# KiCad board modulo_sensor-panel.kicad_pcb (continued)
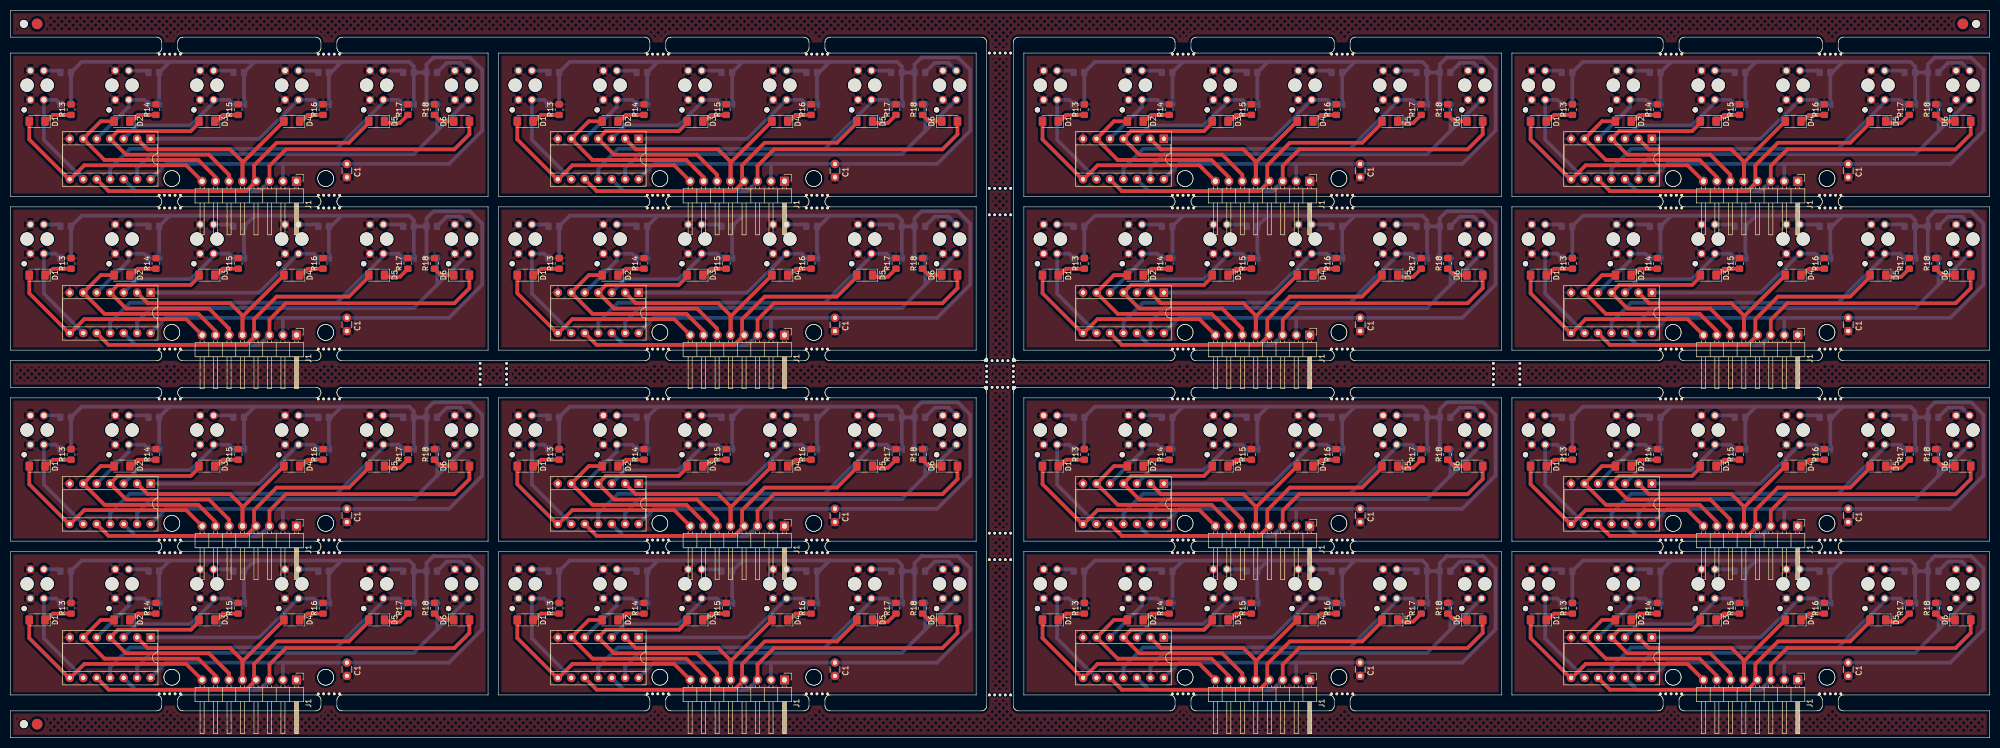
[diagram p0: board, top side]
## Placement (name value [footprint] x y rotation side) (continued)
KiKit_MB_58_4  -  [NPTH]  252 34.8 0 top
KiKit_MB_58_5  -  [NPTH]  253 34.8 0 top
KiKit_MB_59_1  -  [NPTH]  223 8.2 0 top
KiKit_MB_59_2  -  [NPTH]  222 8.2 0 top
KiKit_MB_59_3  -  [NPTH]  221 8.2 0 top
KiKit_MB_59_4  -  [NPTH]  220 8.2 0 top
KiKit_MB_59_5  -  [NPTH]  219 8.2 0 top
KiKit_MB_60_1  -  [NPTH]  253 8.2 0 top
KiKit_MB_60_2  -  [NPTH]  252 8.2 0 top
KiKit_MB_60_3  -  [NPTH]  251 8.2 0 top
KiKit_MB_60_4  -  [NPTH]  250 8.2 0 top
KiKit_MB_60_5  -  [NPTH]  249 8.2 0 top
KiKit_MB_61_1  -  [NPTH]  311 34.8 0 top
KiKit_MB_61_2  -  [NPTH]  312 34.8 0 top
KiKit_MB_61_3  -  [NPTH]  313 34.8 0 top
KiKit_MB_61_4  -  [NPTH]  314 34.8 0 top
KiKit_MB_61_5  -  [NPTH]  315 34.8 0 top
KiKit_MB_62_1  -  [NPTH]  341 34.8 0 top
KiKit_MB_62_2  -  [NPTH]  342 34.8 0 top
KiKit_MB_62_3  -  [NPTH]  343 34.8 0 top
KiKit_MB_62_4  -  [NPTH]  344 34.8 0 top
KiKit_MB_62_5  -  [NPTH]  345 34.8 0 top
KiKit_MB_63_1  -  [NPTH]  315 8.2 0 top
KiKit_MB_63_2  -  [NPTH]  314 8.2 0 top
KiKit_MB_63_3  -  [NPTH]  313 8.2 0 top
KiKit_MB_63_4  -  [NPTH]  312 8.2 0 top
KiKit_MB_63_5  -  [NPTH]  311 8.2 0 top
KiKit_MB_64_1  -  [NPTH]  345 8.2 0 top
KiKit_MB_64_2  -  [NPTH]  344 8.2 0 top
KiKit_MB_64_3  -  [NPTH]  343 8.2 0 top
KiKit_MB_64_4  -  [NPTH]  342 8.2 0 top
KiKit_MB_64_5  -  [NPTH]  341 8.2 0 top
KiKit_MB_65_2  -  [NPTH]  284.5 66.5 0 top
KiKit_MB_65_3  -  [NPTH]  284.5 67.5 0 top
KiKit_MB_65_4  -  [NPTH]  284.5 68.5 0 top
KiKit_MB_65_5  -  [NPTH]  284.5 69.5 0 top
KiKit_MB_65_6  -  [NPTH]  284.5 70.5 0 top
KiKit_MB_66_2  -  [NPTH]  88.5 70.5 0 top
KiKit_MB_66_3  -  [NPTH]  88.5 69.5 0 top
KiKit_MB_66_4  -  [NPTH]  88.5 68.5 0 top
KiKit_MB_66_5  -  [NPTH]  88.5 67.5 0 top
KiKit_MB_66_6  -  [NPTH]  88.5 66.5 0 top
KiKit_MB_67_1  -  [NPTH]  189 65.75 0 top
KiKit_MB_68_1  -  [NPTH]  189 66 0 top
KiKit_MB_68_2  -  [NPTH]  189 67 0 top
KiKit_MB_68_3  -  [NPTH]  189 68 0 top
KiKit_MB_68_4  -  [NPTH]  189 69 0 top
KiKit_MB_68_5  -  [NPTH]  189 70 0 top
KiKit_MB_68_6  -  [NPTH]  189 71 0 top
KiKit_MB_69_1  -  [NPTH]  189 71.25 0 top
KiKit_MB_70_2  -  [NPTH]  279.5 70.5 0 top
KiKit_MB_70_3  -  [NPTH]  279.5 69.5 0 top
KiKit_MB_70_4  -  [NPTH]  279.5 68.5 0 top
KiKit_MB_70_5  -  [NPTH]  279.5 67.5 0 top
KiKit_MB_70_6  -  [NPTH]  279.5 66.5 0 top
KiKit_MB_71_2  -  [NPTH]  93.5 66.5 0 top
KiKit_MB_71_3  -  [NPTH]  93.5 67.5 0 top
KiKit_MB_71_4  -  [NPTH]  93.5 68.5 0 top
KiKit_MB_71_5  -  [NPTH]  93.5 69.5 0 top
KiKit_MB_71_6  -  [NPTH]  93.5 70.5 0 top
KiKit_MB_72_1  -  [NPTH]  184 71.25 0 top
KiKit_MB_73_1  -  [NPTH]  184 71 0 top
KiKit_MB_73_2  -  [NPTH]  184 70 0 top
KiKit_MB_73_3  -  [NPTH]  184 69 0 top
KiKit_MB_73_4  -  [NPTH]  184 68 0 top
KiKit_MB_73_5  -  [NPTH]  184 67 0 top
KiKit_MB_73_6  -  [NPTH]  184 66 0 top
KiKit_MB_74_1  -  [NPTH]  184 65.75 0 top
KiKit_MB_75_1  -  [NPTH]  183.75 66 0 top
KiKit_MB_76_1  -  [NPTH]  184 66 0 top
KiKit_MB_76_2  -  [NPTH]  185 66 0 top
KiKit_MB_76_3  -  [NPTH]  186 66 0 top
KiKit_MB_76_4  -  [NPTH]  187 66 0 top
KiKit_MB_76_5  -  [NPTH]  188 66 0 top
KiKit_MB_76_6  -  [NPTH]  189 66 0 top
KiKit_MB_77_1  -  [NPTH]  189.25 66 0 top
KiKit_MB_78_2  -  [NPTH]  188.5 38.5 0 top
KiKit_MB_78_3  -  [NPTH]  187.5 38.5 0 top
KiKit_MB_78_4  -  [NPTH]  186.5 38.5 0 top
KiKit_MB_78_5  -  [NPTH]  185.5 38.5 0 top
KiKit_MB_78_6  -  [NPTH]  184.5 38.5 0 top
KiKit_MB_79_2  -  [NPTH]  184.5 33.5 0 top
KiKit_MB_79_3  -  [NPTH]  185.5 33.5 0 top
KiKit_MB_79_4  -  [NPTH]  186.5 33.5 0 top
KiKit_MB_79_5  -  [NPTH]  187.5 33.5 0 top
KiKit_MB_79_6  -  [NPTH]  188.5 33.5 0 top
KiKit_MB_80_2  -  [NPTH]  188.5 8 0 top
KiKit_MB_80_3  -  [NPTH]  187.5 8 0 top
KiKit_MB_80_4  -  [NPTH]  186.5 8 0 top
KiKit_MB_80_5  -  [NPTH]  185.5 8 0 top
KiKit_MB_80_6  -  [NPTH]  184.5 8 0 top
KiKit_MB_81_2  -  [NPTH]  188.5 129 0 top
KiKit_MB_81_3  -  [NPTH]  187.5 129 0 top
KiKit_MB_81_4  -  [NPTH]  186.5 129 0 top
KiKit_MB_81_5  -  [NPTH]  185.5 129 0 top
KiKit_MB_81_6  -  [NPTH]  184.5 129 0 top
KiKit_MB_82_2  -  [NPTH]  188.5 103.5 0 top
KiKit_MB_82_3  -  [NPTH]  187.5 103.5 0 top
KiKit_MB_82_4  -  [NPTH]  186.5 103.5 0 top
KiKit_MB_82_5  -  [NPTH]  185.5 103.5 0 top
KiKit_MB_82_6  -  [NPTH]  184.5 103.5 0 top
KiKit_MB_83_2  -  [NPTH]  184.5 98.5 0 top
KiKit_MB_83_3  -  [NPTH]  185.5 98.5 0 top
KiKit_MB_83_4  -  [NPTH]  186.5 98.5 0 top
KiKit_MB_83_5  -  [NPTH]  187.5 98.5 0 top
KiKit_MB_83_6  -  [NPTH]  188.5 98.5 0 top
KiKit_MB_84_1  -  [NPTH]  189.25 71 0 top
KiKit_MB_85_1  -  [NPTH]  189 71 0 top
KiKit_MB_85_2  -  [NPTH]  188 71 0 top
KiKit_MB_85_3  -  [NPTH]  187 71 0 top
KiKit_MB_85_4  -  [NPTH]  186 71 0 top
KiKit_MB_85_5  -  [NPTH]  185 71 0 top
KiKit_MB_85_6  -  [NPTH]  184 71 0 top
KiKit_MB_86_1  -  [NPTH]  183.75 71 0 top
KiKit_TO_1  -  [NPTH#2]  2.5 134.5 0 top
KiKit_TO_2  -  [NPTH#2]  370.5 134.5 0 top
KiKit_TO_3  -  [NPTH#2]  2.5 2.5 0 top
R1  10k  [R_0805_2012Metric_Pad1.20x1.40mm_HandSolder]  293.39 31.34 0 bottom
R1#2  10k  [R_0805_2012Metric_Pad1.20x1.40mm_HandSolder]  201.39 125.34 0 bottom
R1#3  10k  [R_0805_2012Metric_Pad1.20x1.40mm_HandSolder]  102.39 60.34 0 bottom
R1#4  10k  [R_0805_2012Metric_Pad1.20x1.40mm_HandSolder]  102.39 31.34 0 bottom
R1#5  10k  [R_0805_2012Metric_Pad1.20x1.40mm_HandSolder]  102.39 125.34 0 bottom
R1#6  10k  [R_0805_2012Metric_Pad1.20x1.40mm_HandSolder]  10.39 60.34 0 bottom
R1#7  10k  [R_0805_2012Metric_Pad1.20x1.40mm_HandSolder]  293.39 125.34 0 bottom
R1#8  10k  [R_0805_2012Metric_Pad1.20x1.40mm_HandSolder]  293.39 96.34 0 bottom
R1#9  10k  [R_0805_2012Metric_Pad1.20x1.40mm_HandSolder]  10.39 96.34 0 bottom
R1#10  10k  [R_0805_2012Metric_Pad1.20x1.40mm_HandSolder]  201.39 31.34 0 bottom
R1#11  10k  [R_0805_2012Metric_Pad1.20x1.40mm_HandSolder]  10.39 125.34 0 bottom
R1#12  10k  [R_0805_2012Metric_Pad1.20x1.40mm_HandSolder]  201.39 60.34 0 bottom
R1#13  10k  [R_0805_2012Metric_Pad1.20x1.40mm_HandSolder]  201.39 96.34 0 bottom
R1#14  10k  [R_0805_2012Metric_Pad1.20x1.40mm_HandSolder]  102.39 96.34 0 bottom
R1#15  10k  [R_0805_2012Metric_Pad1.20x1.40mm_HandSolder]  10.39 31.34 0 bottom
R1#16  10k  [R_0805_2012Metric_Pad1.20x1.40mm_HandSolder]  293.39 60.34 0 bottom
R2  10k  [R_0805_2012Metric_Pad1.20x1.40mm_HandSolder]  201.39 119.34 0 bottom
R2#2  10k  [R_0805_2012Metric_Pad1.20x1.40mm_HandSolder]  293.39 54.34 0 bottom
R2#3  10k  [R_0805_2012Metric_Pad1.20x1.40mm_HandSolder]  102.39 119.34 0 bottom
R2#4  10k  [R_0805_2012Metric_Pad1.20x1.40mm_HandSolder]  10.39 54.34 0 bottom
R2#5  10k  [R_0805_2012Metric_Pad1.20x1.40mm_HandSolder]  10.39 25.34 0 bottom
R2#6  10k  [R_0805_2012Metric_Pad1.20x1.40mm_HandSolder]  102.39 25.34 0 bottom
R2#7  10k  [R_0805_2012Metric_Pad1.20x1.40mm_HandSolder]  201.39 25.34 0 bottom
R2#8  10k  [R_0805_2012Metric_Pad1.20x1.40mm_HandSolder]  102.39 54.34 0 bottom
R2#9  10k  [R_0805_2012Metric_Pad1.20x1.40mm_HandSolder]  102.39 90.34 0 bottom
R2#10  10k  [R_0805_2012Metric_Pad1.20x1.40mm_HandSolder]  293.39 90.34 0 bottom
R2#11  10k  [R_0805_2012Metric_Pad1.20x1.40mm_HandSolder]  201.39 54.34 0 bottom
R2#12  10k  [R_0805_2012Metric_Pad1.20x1.40mm_HandSolder]  293.39 25.34 0 bottom
R2#13  10k  [R_0805_2012Metric_Pad1.20x1.40mm_HandSolder]  201.39 90.34 0 bottom
R2#14  10k  [R_0805_2012Metric_Pad1.20x1.40mm_HandSolder]  293.39 119.34 0 bottom
R2#15  10k  [R_0805_2012Metric_Pad1.20x1.40mm_HandSolder]  10.39 90.34 0 bottom
R2#16  10k  [R_0805_2012Metric_Pad1.20x1.40mm_HandSolder]  10.39 119.34 0 bottom
R3  10k  [R_0805_2012Metric_Pad1.20x1.40mm_HandSolder]  27 125.34 0 bottom
R3#2  10k  [R_0805_2012Metric_Pad1.20x1.40mm_HandSolder]  27 60.34 0 bottom
R3#3  10k  [R_0805_2012Metric_Pad1.20x1.40mm_HandSolder]  218 96.34 0 bottom
R3#4  10k  [R_0805_2012Metric_Pad1.20x1.40mm_HandSolder]  218 125.34 0 bottom
R3#5  10k  [R_0805_2012Metric_Pad1.20x1.40mm_HandSolder]  119 96.34 0 bottom
R3#6  10k  [R_0805_2012Metric_Pad1.20x1.40mm_HandSolder]  119 31.34 0 bottom
R3#7  10k  [R_0805_2012Metric_Pad1.20x1.40mm_HandSolder]  27 96.34 0 bottom
R3#8  10k  [R_0805_2012Metric_Pad1.20x1.40mm_HandSolder]  218 60.34 0 bottom
R3#9  10k  [R_0805_2012Metric_Pad1.20x1.40mm_HandSolder]  119 60.34 0 bottom
R3#10  10k  [R_0805_2012Metric_Pad1.20x1.40mm_HandSolder]  310 96.34 0 bottom
R3#11  10k  [R_0805_2012Metric_Pad1.20x1.40mm_HandSolder]  310 31.34 0 bottom
R3#12  10k  [R_0805_2012Metric_Pad1.20x1.40mm_HandSolder]  119 125.34 0 bottom
R3#13  10k  [R_0805_2012Metric_Pad1.20x1.40mm_HandSolder]  218 31.34 0 bottom
R3#14  10k  [R_0805_2012Metric_Pad1.20x1.40mm_HandSolder]  310 60.34 0 bottom
R3#15  10k  [R_0805_2012Metric_Pad1.20x1.40mm_HandSolder]  27 31.34 0 bottom
R3#16  10k  [R_0805_2012Metric_Pad1.20x1.40mm_HandSolder]  310 125.34 0 bottom
R4  10k  [R_0805_2012Metric_Pad1.20x1.40mm_HandSolder]  310 119.34 0 bottom
R4#2  10k  [R_0805_2012Metric_Pad1.20x1.40mm_HandSolder]  218 54.34 0 bottom
R4#3  10k  [R_0805_2012Metric_Pad1.20x1.40mm_HandSolder]  27 119.34 0 bottom
R4#4  10k  [R_0805_2012Metric_Pad1.20x1.40mm_HandSolder]  27 54.34 0 bottom
R4#5  10k  [R_0805_2012Metric_Pad1.20x1.40mm_HandSolder]  27 25.34 0 bottom
R4#6  10k  [R_0805_2012Metric_Pad1.20x1.40mm_HandSolder]  310 54.34 0 bottom
R4#7  10k  [R_0805_2012Metric_Pad1.20x1.40mm_HandSolder]  119 90.34 0 bottom
R4#8  10k  [R_0805_2012Metric_Pad1.20x1.40mm_HandSolder]  27 90.34 0 bottom
R4#9  10k  [R_0805_2012Metric_Pad1.20x1.40mm_HandSolder]  119 119.34 0 bottom
R4#10  10k  [R_0805_2012Metric_Pad1.20x1.40mm_HandSolder]  218 119.34 0 bottom
R4#11  10k  [R_0805_2012Metric_Pad1.20x1.40mm_HandSolder]  119 25.34 0 bottom
R4#12  10k  [R_0805_2012Metric_Pad1.20x1.40mm_HandSolder]  310 25.34 0 bottom
R4#13  10k  [R_0805_2012Metric_Pad1.20x1.40mm_HandSolder]  218 25.34 0 bottom
R4#14  10k  [R_0805_2012Metric_Pad1.20x1.40mm_HandSolder]  218 90.34 0 bottom
R4#15  10k  [R_0805_2012Metric_Pad1.20x1.40mm_HandSolder]  310 90.34 0 bottom
R4#16  10k  [R_0805_2012Metric_Pad1.20x1.40mm_HandSolder]  119 54.34 0 bottom
R5  10k  [R_0805_2012Metric_Pad1.20x1.40mm_HandSolder]  43 31.34 0 bottom
R5#2  10k  [R_0805_2012Metric_Pad1.20x1.40mm_HandSolder]  43 96.34 0 bottom
R5#3  10k  [R_0805_2012Metric_Pad1.20x1.40mm_HandSolder]  234 96.34 0 bottom
R5#4  10k  [R_0805_2012Metric_Pad1.20x1.40mm_HandSolder]  135 31.34 0 bottom
R5#5  10k  [R_0805_2012Metric_Pad1.20x1.40mm_HandSolder]  234 60.34 0 bottom
R5#6  10k  [R_0805_2012Metric_Pad1.20x1.40mm_HandSolder]  326 96.34 0 bottom
R5#7  10k  [R_0805_2012Metric_Pad1.20x1.40mm_HandSolder]  135 96.34 0 bottom
R5#8  10k  [R_0805_2012Metric_Pad1.20x1.40mm_HandSolder]  326 31.34 0 bottom
R5#9  10k  [R_0805_2012Metric_Pad1.20x1.40mm_HandSolder]  43 125.34 0 bottom
R5#10  10k  [R_0805_2012Metric_Pad1.20x1.40mm_HandSolder]  326 125.34 0 bottom
R5#11  10k  [R_0805_2012Metric_Pad1.20x1.40mm_HandSolder]  234 125.34 0 bottom
R5#12  10k  [R_0805_2012Metric_Pad1.20x1.40mm_HandSolder]  234 31.34 0 bottom
R5#13  10k  [R_0805_2012Metric_Pad1.20x1.40mm_HandSolder]  135 125.34 0 bottom
R5#14  10k  [R_0805_2012Metric_Pad1.20x1.40mm_HandSolder]  43 60.34 0 bottom
R5#15  10k  [R_0805_2012Metric_Pad1.20x1.40mm_HandSolder]  135 60.34 0 bottom
R5#16  10k  [R_0805_2012Metric_Pad1.20x1.40mm_HandSolder]  326 60.34 0 bottom
R6  10k  [R_0805_2012Metric_Pad1.20x1.40mm_HandSolder]  326 119.34 0 bottom
R6#2  10k  [R_0805_2012Metric_Pad1.20x1.40mm_HandSolder]  135 90.34 0 bottom
R6#3  10k  [R_0805_2012Metric_Pad1.20x1.40mm_HandSolder]  326 90.34 0 bottom
R6#4  10k  [R_0805_2012Metric_Pad1.20x1.40mm_HandSolder]  43 25.34 0 bottom
R6#5  10k  [R_0805_2012Metric_Pad1.20x1.40mm_HandSolder]  43 90.34 0 bottom
R6#6  10k  [R_0805_2012Metric_Pad1.20x1.40mm_HandSolder]  234 90.34 0 bottom
R6#7  10k  [R_0805_2012Metric_Pad1.20x1.40mm_HandSolder]  43 54.34 0 bottom
R6#8  10k  [R_0805_2012Metric_Pad1.20x1.40mm_HandSolder]  326 25.34 0 bottom
R6#9  10k  [R_0805_2012Metric_Pad1.20x1.40mm_HandSolder]  135 119.34 0 bottom
R6#10  10k  [R_0805_2012Metric_Pad1.20x1.40mm_HandSolder]  234 119.34 0 bottom
R6#11  10k  [R_0805_2012Metric_Pad1.20x1.40mm_HandSolder]  234 25.34 0 bottom
R6#12  10k  [R_0805_2012Metric_Pad1.20x1.40mm_HandSolder]  43 119.34 0 bottom
R6#13  10k  [R_0805_2012Metric_Pad1.20x1.40mm_HandSolder]  326 54.34 0 bottom
R6#14  10k  [R_0805_2012Metric_Pad1.20x1.40mm_HandSolder]  135 54.34 0 bottom
R6#15  10k  [R_0805_2012Metric_Pad1.20x1.40mm_HandSolder]  234 54.34 0 bottom
R6#16  10k  [R_0805_2012Metric_Pad1.20x1.40mm_HandSolder]  135 25.34 0 bottom
R7  10k  [R_0805_2012Metric_Pad1.20x1.40mm_HandSolder]  59 125.34 0 bottom
R7#2  10k  [R_0805_2012Metric_Pad1.20x1.40mm_HandSolder]  151 96.34 0 bottom
R7#3  10k  [R_0805_2012Metric_Pad1.20x1.40mm_HandSolder]  59 96.34 0 bottom
R7#4  10k  [R_0805_2012Metric_Pad1.20x1.40mm_HandSolder]  342 96.34 0 bottom
R7#5  10k  [R_0805_2012Metric_Pad1.20x1.40mm_HandSolder]  250 31.34 0 bottom
R7#6  10k  [R_0805_2012Metric_Pad1.20x1.40mm_HandSolder]  59 31.34 0 bottom
R7#7  10k  [R_0805_2012Metric_Pad1.20x1.40mm_HandSolder]  250 96.34 0 bottom
R7#8  10k  [R_0805_2012Metric_Pad1.20x1.40mm_HandSolder]  342 125.34 0 bottom
R7#9  10k  [R_0805_2012Metric_Pad1.20x1.40mm_HandSolder]  342 31.34 0 bottom
R7#10  10k  [R_0805_2012Metric_Pad1.20x1.40mm_HandSolder]  59 60.34 0 bottom
R7#11  10k  [R_0805_2012Metric_Pad1.20x1.40mm_HandSolder]  151 125.34 0 bottom
R7#12  10k  [R_0805_2012Metric_Pad1.20x1.40mm_HandSolder]  250 125.34 0 bottom
R7#13  10k  [R_0805_2012Metric_Pad1.20x1.40mm_HandSolder]  342 60.34 0 bottom
R7#14  10k  [R_0805_2012Metric_Pad1.20x1.40mm_HandSolder]  250 60.34 0 bottom
R7#15  10k  [R_0805_2012Metric_Pad1.20x1.40mm_HandSolder]  151 60.34 0 bottom
R7#16  10k  [R_0805_2012Metric_Pad1.20x1.40mm_HandSolder]  151 31.34 0 bottom
R8  10k  [R_0805_2012Metric_Pad1.20x1.40mm_HandSolder]  342 54.34 0 bottom
R8#2  10k  [R_0805_2012Metric_Pad1.20x1.40mm_HandSolder]  250 25.34 0 bottom
R8#3  10k  [R_0805_2012Metric_Pad1.20x1.40mm_HandSolder]  342 25.34 0 bottom
R8#4  10k  [R_0805_2012Metric_Pad1.20x1.40mm_HandSolder]  151 119.34 0 bottom
R8#5  10k  [R_0805_2012Metric_Pad1.20x1.40mm_HandSolder]  151 25.34 0 bottom
R8#6  10k  [R_0805_2012Metric_Pad1.20x1.40mm_HandSolder]  250 90.34 0 bottom
R8#7  10k  [R_0805_2012Metric_Pad1.20x1.40mm_HandSolder]  59 25.34 0 bottom
R8#8  10k  [R_0805_2012Metric_Pad1.20x1.40mm_HandSolder]  59 119.34 0 bottom
R8#9  10k  [R_0805_2012Metric_Pad1.20x1.40mm_HandSolder]  250 54.34 0 bottom
R8#10  10k  [R_0805_2012Metric_Pad1.20x1.40mm_HandSolder]  342 119.34 0 bottom
R8#11  10k  [R_0805_2012Metric_Pad1.20x1.40mm_HandSolder]  342 90.34 0 bottom
R8#12  10k  [R_0805_2012Metric_Pad1.20x1.40mm_HandSolder]  151 54.34 0 bottom
R8#13  10k  [R_0805_2012Metric_Pad1.20x1.40mm_HandSolder]  59 90.34 0 bottom
R8#14  10k  [R_0805_2012Metric_Pad1.20x1.40mm_HandSolder]  151 90.34 0 bottom
R8#15  10k  [R_0805_2012Metric_Pad1.20x1.40mm_HandSolder]  59 54.34 0 bottom
R8#16  10k  [R_0805_2012Metric_Pad1.20x1.40mm_HandSolder]  250 119.34 0 bottom
R9  10k  [R_0805_2012Metric_Pad1.20x1.40mm_HandSolder]  358 96.34 0 bottom
R9#2  10k  [R_0805_2012Metric_Pad1.20x1.40mm_HandSolder]  358 60.34 0 bottom
R9#3  10k  [R_0805_2012Metric_Pad1.20x1.40mm_HandSolder]  266 60.34 0 bottom
R9#4  10k  [R_0805_2012Metric_Pad1.20x1.40mm_HandSolder]  266 31.34 0 bottom
R9#5  10k  [R_0805_2012Metric_Pad1.20x1.40mm_HandSolder]  167 60.34 0 bottom
R9#6  10k  [R_0805_2012Metric_Pad1.20x1.40mm_HandSolder]  167 31.34 0 bottom
R9#7  10k  [R_0805_2012Metric_Pad1.20x1.40mm_HandSolder]  358 31.34 0 bottom
R9#8  10k  [R_0805_2012Metric_Pad1.20x1.40mm_HandSolder]  266 125.34 0 bottom
R9#9  10k  [R_0805_2012Metric_Pad1.20x1.40mm_HandSolder]  167 96.34 0 bottom
R9#10  10k  [R_0805_2012Metric_Pad1.20x1.40mm_HandSolder]  167 125.34 0 bottom
R9#11  10k  [R_0805_2012Metric_Pad1.20x1.40mm_HandSolder]  75 125.34 0 bottom
R9#12  10k  [R_0805_2012Metric_Pad1.20x1.40mm_HandSolder]  75 96.34 0 bottom
R9#13  10k  [R_0805_2012Metric_Pad1.20x1.40mm_HandSolder]  358 125.34 0 bottom
R9#14  10k  [R_0805_2012Metric_Pad1.20x1.40mm_HandSolder]  75 31.34 0 bottom
R9#15  10k  [R_0805_2012Metric_Pad1.20x1.40mm_HandSolder]  266 96.34 0 bottom
R9#16  10k  [R_0805_2012Metric_Pad1.20x1.40mm_HandSolder]  75 60.34 0 bottom
R10  10k  [R_0805_2012Metric_Pad1.20x1.40mm_HandSolder]  266 25.34 0 bottom
R10#2  10k  [R_0805_2012Metric_Pad1.20x1.40mm_HandSolder]  266 54.34 0 bottom
R10#3  10k  [R_0805_2012Metric_Pad1.20x1.40mm_HandSolder]  75 25.34 0 bottom
R10#4  10k  [R_0805_2012Metric_Pad1.20x1.40mm_HandSolder]  75 54.34 0 bottom
R10#5  10k  [R_0805_2012Metric_Pad1.20x1.40mm_HandSolder]  167 25.34 0 bottom
R10#6  10k  [R_0805_2012Metric_Pad1.20x1.40mm_HandSolder]  75 90.34 0 bottom
R10#7  10k  [R_0805_2012Metric_Pad1.20x1.40mm_HandSolder]  266 119.34 0 bottom
R10#8  10k  [R_0805_2012Metric_Pad1.20x1.40mm_HandSolder]  167 119.34 0 bottom
R10#9  10k  [R_0805_2012Metric_Pad1.20x1.40mm_HandSolder]  358 90.34 0 bottom
R10#10  10k  [R_0805_2012Metric_Pad1.20x1.40mm_HandSolder]  358 54.34 0 bottom
R10#11  10k  [R_0805_2012Metric_Pad1.20x1.40mm_HandSolder]  167 90.34 0 bottom
R10#12  10k  [R_0805_2012Metric_Pad1.20x1.40mm_HandSolder]  75 119.34 0 bottom
R10#13  10k  [R_0805_2012Metric_Pad1.20x1.40mm_HandSolder]  266 90.34 0 bottom
R10#14  10k  [R_0805_2012Metric_Pad1.20x1.40mm_HandSolder]  358 119.34 0 bottom
R10#15  10k  [R_0805_2012Metric_Pad1.20x1.40mm_HandSolder]  167 54.34 0 bottom
R10#16  10k  [R_0805_2012Metric_Pad1.20x1.40mm_HandSolder]  358 25.34 0 bottom
R11  10k  [R_0805_2012Metric_Pad1.20x1.40mm_HandSolder]  79.39 60.34 180 bottom
R11#2  10k  [R_0805_2012Metric_Pad1.20x1.40mm_HandSolder]  270.39 60.34 180 bottom
R11#3  10k  [R_0805_2012Metric_Pad1.20x1.40mm_HandSolder]  270.39 31.34 180 bottom
R11#4  10k  [R_0805_2012Metric_Pad1.20x1.40mm_HandSolder]  171.39 60.34 180 bottom
R11#5  10k  [R_0805_2012Metric_Pad1.20x1.40mm_HandSolder]  270.39 96.34 180 bottom
R11#6  10k  [R_0805_2012Metric_Pad1.20x1.40mm_HandSolder]  171.39 31.34 180 bottom
R11#7  10k  [R_0805_2012Metric_Pad1.20x1.40mm_HandSolder]  79.39 125.34 180 bottom
R11#8  10k  [R_0805_2012Metric_Pad1.20x1.40mm_HandSolder]  79.39 96.34 180 bottom
R11#9  10k  [R_0805_2012Metric_Pad1.20x1.40mm_HandSolder]  171.39 96.34 180 bottom
R11#10  10k  [R_0805_2012Metric_Pad1.20x1.40mm_HandSolder]  270.39 125.34 180 bottom
R11#11  10k  [R_0805_2012Metric_Pad1.20x1.40mm_HandSolder]  362.39 125.34 180 bottom
R11#12  10k  [R_0805_2012Metric_Pad1.20x1.40mm_HandSolder]  171.39 125.34 180 bottom
R11#13  10k  [R_0805_2012Metric_Pad1.20x1.40mm_HandSolder]  362.39 31.34 180 bottom
R11#14  10k  [R_0805_2012Metric_Pad1.20x1.40mm_HandSolder]  362.39 60.34 180 bottom
R11#15  10k  [R_0805_2012Metric_Pad1.20x1.40mm_HandSolder]  79.39 31.34 180 bottom
R11#16  10k  [R_0805_2012Metric_Pad1.20x1.40mm_HandSolder]  362.39 96.34 180 bottom
R12  10k  [R_0805_2012Metric_Pad1.20x1.40mm_HandSolder]  171.39 54.34 180 bottom
R12#2  10k  [R_0805_2012Metric_Pad1.20x1.40mm_HandSolder]  79.39 119.34 180 bottom
R12#3  10k  [R_0805_2012Metric_Pad1.20x1.40mm_HandSolder]  362.39 90.34 180 bottom
R12#4  10k  [R_0805_2012Metric_Pad1.20x1.40mm_HandSolder]  362.39 25.34 180 bottom
R12#5  10k  [R_0805_2012Metric_Pad1.20x1.40mm_HandSolder]  171.39 25.34 180 bottom
R12#6  10k  [R_0805_2012Metric_Pad1.20x1.40mm_HandSolder]  270.39 90.34 180 bottom
R12#7  10k  [R_0805_2012Metric_Pad1.20x1.40mm_HandSolder]  171.39 119.34 180 bottom
R12#8  10k  [R_0805_2012Metric_Pad1.20x1.40mm_HandSolder]  270.39 25.34 180 bottom
R12#9  10k  [R_0805_2012Metric_Pad1.20x1.40mm_HandSolder]  171.39 90.34 180 bottom
R12#10  10k  [R_0805_2012Metric_Pad1.20x1.40mm_HandSolder]  270.39 119.34 180 bottom
R12#11  10k  [R_0805_2012Metric_Pad1.20x1.40mm_HandSolder]  362.39 54.34 180 bottom
R12#12  10k  [R_0805_2012Metric_Pad1.20x1.40mm_HandSolder]  79.39 54.34 180 bottom
R12#13  10k  [R_0805_2012Metric_Pad1.20x1.40mm_HandSolder]  79.39 25.34 180 bottom
R12#14  10k  [R_0805_2012Metric_Pad1.20x1.40mm_HandSolder]  79.39 90.34 180 bottom
R12#15  10k  [R_0805_2012Metric_Pad1.20x1.40mm_HandSolder]  270.39 54.34 180 bottom
R12#16  10k  [R_0805_2012Metric_Pad1.20x1.40mm_HandSolder]  362.39 119.34 180 bottom
R13  1k  [R_0805_2012Metric_Pad1.20x1.40mm_HandSolder]  103.39 53.34 90 top
R13#2  1k  [R_0805_2012Metric_Pad1.20x1.40mm_HandSolder]  294.39 118.34 90 top
R13#3  1k  [R_0805_2012Metric_Pad1.20x1.40mm_HandSolder]  202.39 118.34 90 top
R13#4  1k  [R_0805_2012Metric_Pad1.20x1.40mm_HandSolder]  202.39 24.34 90 top
R13#5  1k  [R_0805_2012Metric_Pad1.20x1.40mm_HandSolder]  103.39 89.34 90 top
R13#6  1k  [R_0805_2012Metric_Pad1.20x1.40mm_HandSolder]  11.39 24.34 90 top
R13#7  1k  [R_0805_2012Metric_Pad1.20x1.40mm_HandSolder]  103.39 24.34 90 top
R13#8  1k  [R_0805_2012Metric_Pad1.20x1.40mm_HandSolder]  11.39 89.34 90 top
R13#9  1k  [R_0805_2012Metric_Pad1.20x1.40mm_HandSolder]  103.39 118.34 90 top
R13#10  1k  [R_0805_2012Metric_Pad1.20x1.40mm_HandSolder]  294.39 24.34 90 top
R13#11  1k  [R_0805_2012Metric_Pad1.20x1.40mm_HandSolder]  294.39 53.34 90 top
R13#12  1k  [R_0805_2012Metric_Pad1.20x1.40mm_HandSolder]  202.39 89.34 90 top
R13#13  1k  [R_0805_2012Metric_Pad1.20x1.40mm_HandSolder]  202.39 53.34 90 top
R13#14  1k  [R_0805_2012Metric_Pad1.20x1.40mm_HandSolder]  11.39 53.34 90 top
R13#15  1k  [R_0805_2012Metric_Pad1.20x1.40mm_HandSolder]  294.39 89.34 90 top
R13#16  1k  [R_0805_2012Metric_Pad1.20x1.40mm_HandSolder]  11.39 118.34 90 top
R14  1k  [R_0805_2012Metric_Pad1.20x1.40mm_HandSolder]  119.39 53.34 90 top
R14#2  1k  [R_0805_2012Metric_Pad1.20x1.40mm_HandSolder]  310.39 118.34 90 top
R14#3  1k  [R_0805_2012Metric_Pad1.20x1.40mm_HandSolder]  119.39 24.34 90 top
R14#4  1k  [R_0805_2012Metric_Pad1.20x1.40mm_HandSolder]  218.39 89.34 90 top
R14#5  1k  [R_0805_2012Metric_Pad1.20x1.40mm_HandSolder]  218.39 118.34 90 top
R14#6  1k  [R_0805_2012Metric_Pad1.20x1.40mm_HandSolder]  27.39 24.34 90 top
R14#7  1k  [R_0805_2012Metric_Pad1.20x1.40mm_HandSolder]  310.39 24.34 90 top
R14#8  1k  [R_0805_2012Metric_Pad1.20x1.40mm_HandSolder]  27.39 53.34 90 top
R14#9  1k  [R_0805_2012Metric_Pad1.20x1.40mm_HandSolder]  310.39 53.34 90 top
R14#10  1k  [R_0805_2012Metric_Pad1.20x1.40mm_HandSolder]  310.39 89.34 90 top
R14#11  1k  [R_0805_2012Metric_Pad1.20x1.40mm_HandSolder]  119.39 118.34 90 top
R14#12  1k  [R_0805_2012Metric_Pad1.20x1.40mm_HandSolder]  119.39 89.34 90 top
R14#13  1k  [R_0805_2012Metric_Pad1.20x1.40mm_HandSolder]  27.39 89.34 90 top
R14#14  1k  [R_0805_2012Metric_Pad1.20x1.40mm_HandSolder]  218.39 24.34 90 top
R14#15  1k  [R_0805_2012Metric_Pad1.20x1.40mm_HandSolder]  27.39 118.34 90 top
R14#16  1k  [R_0805_2012Metric_Pad1.20x1.40mm_HandSolder]  218.39 53.34 90 top
R15  1k  [R_0805_2012Metric_Pad1.20x1.40mm_HandSolder]  233.89 118.34 90 top
R15#2  1k  [R_0805_2012Metric_Pad1.20x1.40mm_HandSolder]  42.89 24.34 90 top
R15#3  1k  [R_0805_2012Metric_Pad1.20x1.40mm_HandSolder]  134.89 24.34 90 top
R15#4  1k  [R_0805_2012Metric_Pad1.20x1.40mm_HandSolder]  233.89 89.34 90 top
R15#5  1k  [R_0805_2012Metric_Pad1.20x1.40mm_HandSolder]  233.89 53.34 90 top
R15#6  1k  [R_0805_2012Metric_Pad1.20x1.40mm_HandSolder]  325.89 24.34 90 top
R15#7  1k  [R_0805_2012Metric_Pad1.20x1.40mm_HandSolder]  134.89 89.34 90 top
R15#8  1k  [R_0805_2012Metric_Pad1.20x1.40mm_HandSolder]  42.89 118.34 90 top
R15#9  1k  [R_0805_2012Metric_Pad1.20x1.40mm_HandSolder]  134.89 53.34 90 top
R15#10  1k  [R_0805_2012Metric_Pad1.20x1.40mm_HandSolder]  42.89 89.34 90 top
R15#11  1k  [R_0805_2012Metric_Pad1.20x1.40mm_HandSolder]  42.89 53.34 90 top
R15#12  1k  [R_0805_2012Metric_Pad1.20x1.40mm_HandSolder]  325.89 53.34 90 top
R15#13  1k  [R_0805_2012Metric_Pad1.20x1.40mm_HandSolder]  134.89 118.34 90 top
R15#14  1k  [R_0805_2012Metric_Pad1.20x1.40mm_HandSolder]  325.89 118.34 90 top
R15#15  1k  [R_0805_2012Metric_Pad1.20x1.40mm_HandSolder]  233.89 24.34 90 top
R15#16  1k  [R_0805_2012Metric_Pad1.20x1.40mm_HandSolder]  325.89 89.34 90 top
R16  1k  [R_0805_2012Metric_Pad1.20x1.40mm_HandSolder]  249.89 118.34 90 top
R16#2  1k  [R_0805_2012Metric_Pad1.20x1.40mm_HandSolder]  249.89 24.34 90 top
R16#3  1k  [R_0805_2012Metric_Pad1.20x1.40mm_HandSolder]  341.89 118.34 90 top
R16#4  1k  [R_0805_2012Metric_Pad1.20x1.40mm_HandSolder]  150.89 24.34 90 top
R16#5  1k  [R_0805_2012Metric_Pad1.20x1.40mm_HandSolder]  150.89 89.34 90 top
R16#6  1k  [R_0805_2012Metric_Pad1.20x1.40mm_HandSolder]  58.89 89.34 90 top
R16#7  1k  [R_0805_2012Metric_Pad1.20x1.40mm_HandSolder]  249.89 53.34 90 top
R16#8  1k  [R_0805_2012Metric_Pad1.20x1.40mm_HandSolder]  150.89 53.34 90 top
R16#9  1k  [R_0805_2012Metric_Pad1.20x1.40mm_HandSolder]  150.89 118.34 90 top
R16#10  1k  [R_0805_2012Metric_Pad1.20x1.40mm_HandSolder]  341.89 53.34 90 top
R16#11  1k  [R_0805_2012Metric_Pad1.20x1.40mm_HandSolder]  341.89 89.34 90 top
R16#12  1k  [R_0805_2012Metric_Pad1.20x1.40mm_HandSolder]  249.89 89.34 90 top
R16#13  1k  [R_0805_2012Metric_Pad1.20x1.40mm_HandSolder]  58.89 118.34 90 top
R16#14  1k  [R_0805_2012Metric_Pad1.20x1.40mm_HandSolder]  58.89 24.34 90 top
R16#15  1k  [R_0805_2012Metric_Pad1.20x1.40mm_HandSolder]  341.89 24.34 90 top
R16#16  1k  [R_0805_2012Metric_Pad1.20x1.40mm_HandSolder]  58.89 53.34 90 top
R17  1k  [R_0805_2012Metric_Pad1.20x1.40mm_HandSolder]  74.89 24.34 90 top
R17#2  1k  [R_0805_2012Metric_Pad1.20x1.40mm_HandSolder]  166.89 89.34 90 top
R17#3  1k  [R_0805_2012Metric_Pad1.20x1.40mm_HandSolder]  265.89 118.34 90 top
R17#4  1k  [R_0805_2012Metric_Pad1.20x1.40mm_HandSolder]  265.89 89.34 90 top
R17#5  1k  [R_0805_2012Metric_Pad1.20x1.40mm_HandSolder]  74.89 89.34 90 top
R17#6  1k  [R_0805_2012Metric_Pad1.20x1.40mm_HandSolder]  166.89 24.34 90 top
R17#7  1k  [R_0805_2012Metric_Pad1.20x1.40mm_HandSolder]  265.89 53.34 90 top
R17#8  1k  [R_0805_2012Metric_Pad1.20x1.40mm_HandSolder]  166.89 118.34 90 top
R17#9  1k  [R_0805_2012Metric_Pad1.20x1.40mm_HandSolder]  357.89 53.34 90 top
R17#10  1k  [R_0805_2012Metric_Pad1.20x1.40mm_HandSolder]  74.89 53.34 90 top
R17#11  1k  [R_0805_2012Metric_Pad1.20x1.40mm_HandSolder]  265.89 24.34 90 top
R17#12  1k  [R_0805_2012Metric_Pad1.20x1.40mm_HandSolder]  357.89 89.34 90 top
R17#13  1k  [R_0805_2012Metric_Pad1.20x1.40mm_HandSolder]  357.89 118.34 90 top
R17#14  1k  [R_0805_2012Metric_Pad1.20x1.40mm_HandSolder]  74.89 118.34 90 top
R17#15  1k  [R_0805_2012Metric_Pad1.20x1.40mm_HandSolder]  357.89 24.34 90 top
R17#16  1k  [R_0805_2012Metric_Pad1.20x1.40mm_HandSolder]  166.89 53.34 90 top
R18  1k  [R_0805_2012Metric_Pad1.20x1.40mm_HandSolder]  79.89 53.34 90 top
R18#2  1k  [R_0805_2012Metric_Pad1.20x1.40mm_HandSolder]  171.89 118.34 90 top
R18#3  1k  [R_0805_2012Metric_Pad1.20x1.40mm_HandSolder]  171.89 89.34 90 top
R18#4  1k  [R_0805_2012Metric_Pad1.20x1.40mm_HandSolder]  270.89 89.34 90 top
R18#5  1k  [R_0805_2012Metric_Pad1.20x1.40mm_HandSolder]  79.89 24.34 90 top
R18#6  1k  [R_0805_2012Metric_Pad1.20x1.40mm_HandSolder]  270.89 118.34 90 top
R18#7  1k  [R_0805_2012Metric_Pad1.20x1.40mm_HandSolder]  270.89 24.34 90 top
R18#8  1k  [R_0805_2012Metric_Pad1.20x1.40mm_HandSolder]  171.89 53.34 90 top
R18#9  1k  [R_0805_2012Metric_Pad1.20x1.40mm_HandSolder]  362.89 89.34 90 top
R18#10  1k  [R_0805_2012Metric_Pad1.20x1.40mm_HandSolder]  362.89 24.34 90 top
R18#11  1k  [R_0805_2012Metric_Pad1.20x1.40mm_HandSolder]  171.89 24.34 90 top
R18#12  1k  [R_0805_2012Metric_Pad1.20x1.40mm_HandSolder]  362.89 118.34 90 top
R18#13  1k  [R_0805_2012Metric_Pad1.20x1.40mm_HandSolder]  79.89 89.34 90 top
R18#14  1k  [R_0805_2012Metric_Pad1.20x1.40mm_HandSolder]  79.89 118.34 90 top
R18#15  1k  [R_0805_2012Metric_Pad1.20x1.40mm_HandSolder]  270.89 53.34 90 top
R18#16  1k  [R_0805_2012Metric_Pad1.20x1.40mm_HandSolder]  362.89 53.34 90 top
Sensor1  TCRT5000  [OPTO_TCRT5000]  97 57.94 90 bottom
Sensor1#2  TCRT5000  [OPTO_TCRT5000]  5 28.94 90 bottom
Sensor1#3  TCRT5000  [OPTO_TCRT5000]  196 57.94 90 bottom
Sensor1#4  TCRT5000  [OPTO_TCRT5000]  196 28.94 90 bottom
Sensor1#5  TCRT5000  [OPTO_TCRT5000]  288 93.94 90 bottom
